# Altium PCB modulo_principal_footprint.PcbDoc
Units mm, origin at the board's own origin, x right, y up, seen from the top; angles counter-clockwise.
Board outline 95 x 76 mm, 2 copper layers (Top Layer, Bottom Layer); 93 components, 56 nets, 297 pads, 84 vias.
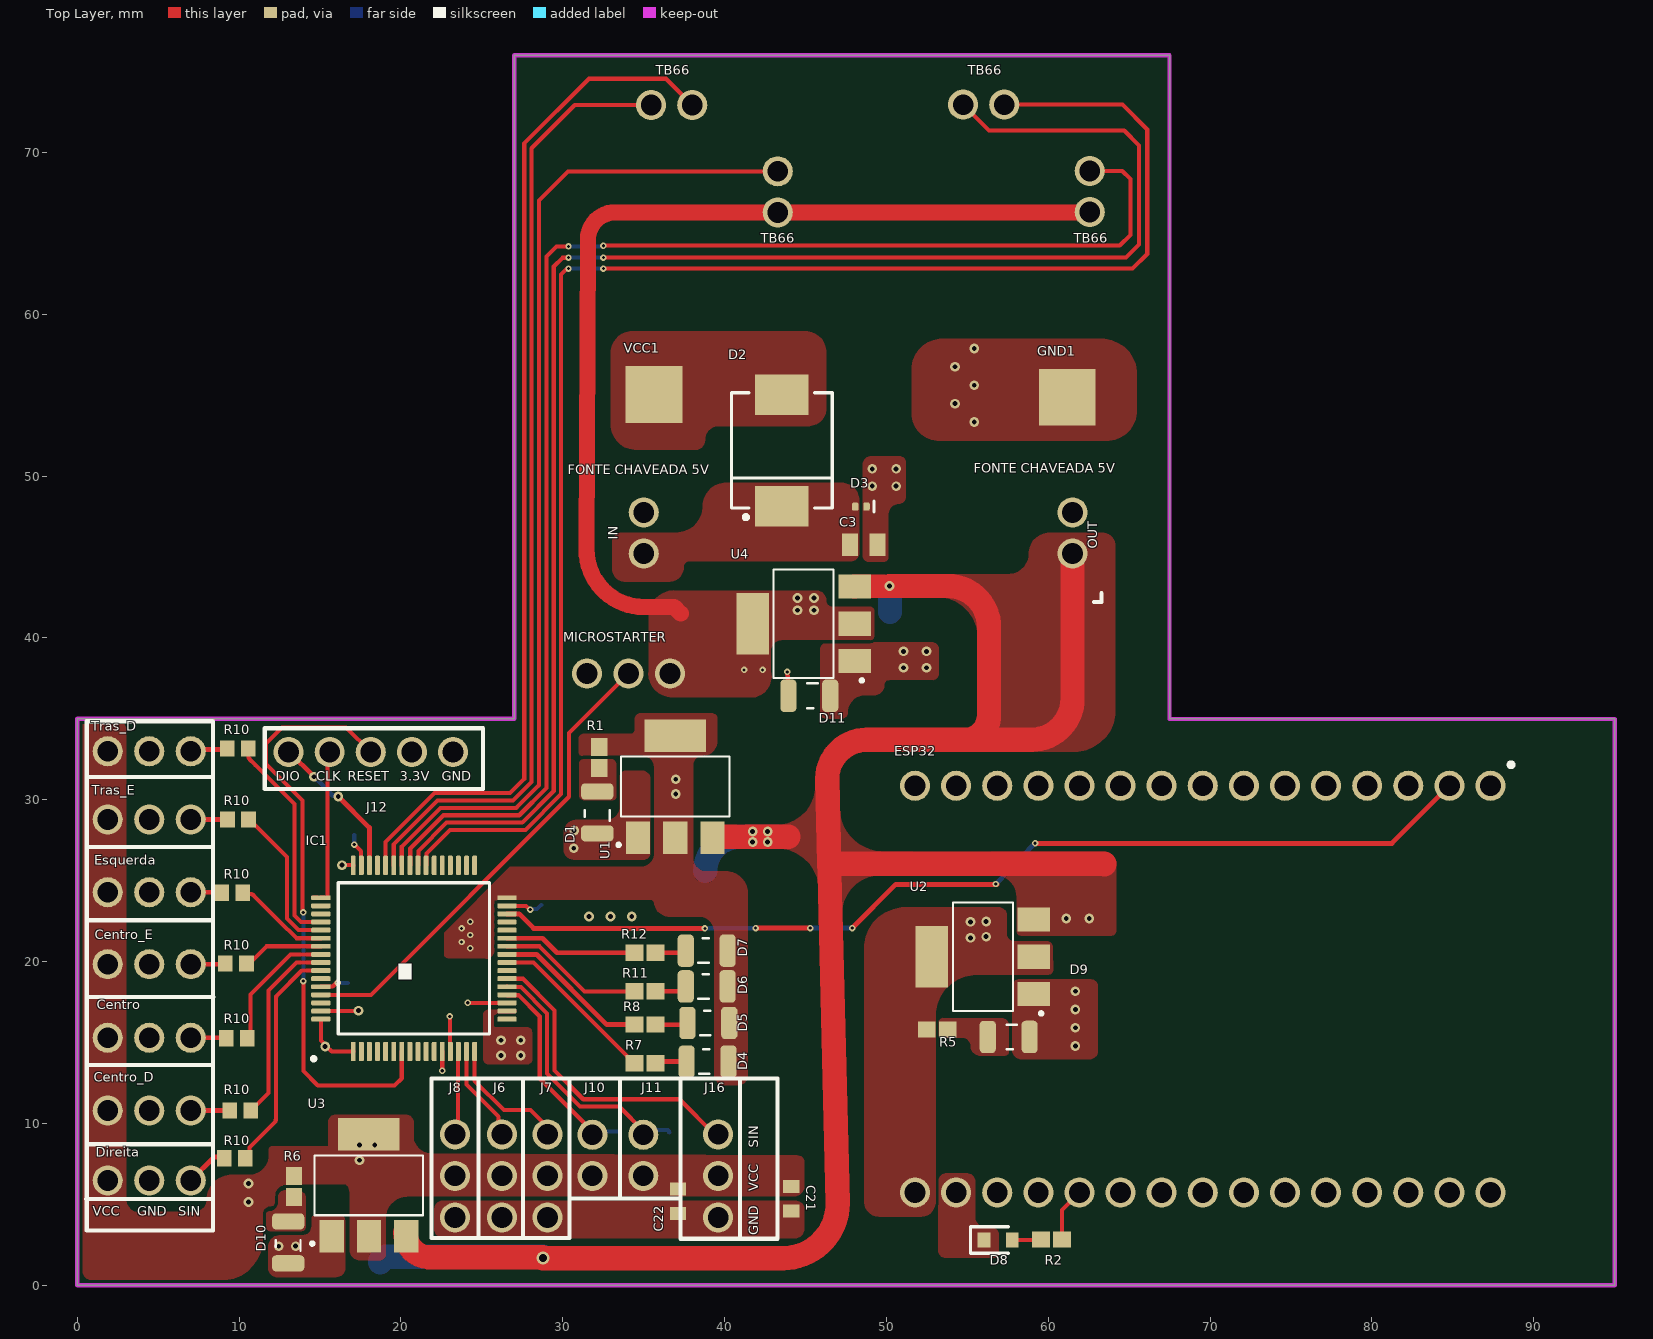
[diagram p0: Top Layer view]
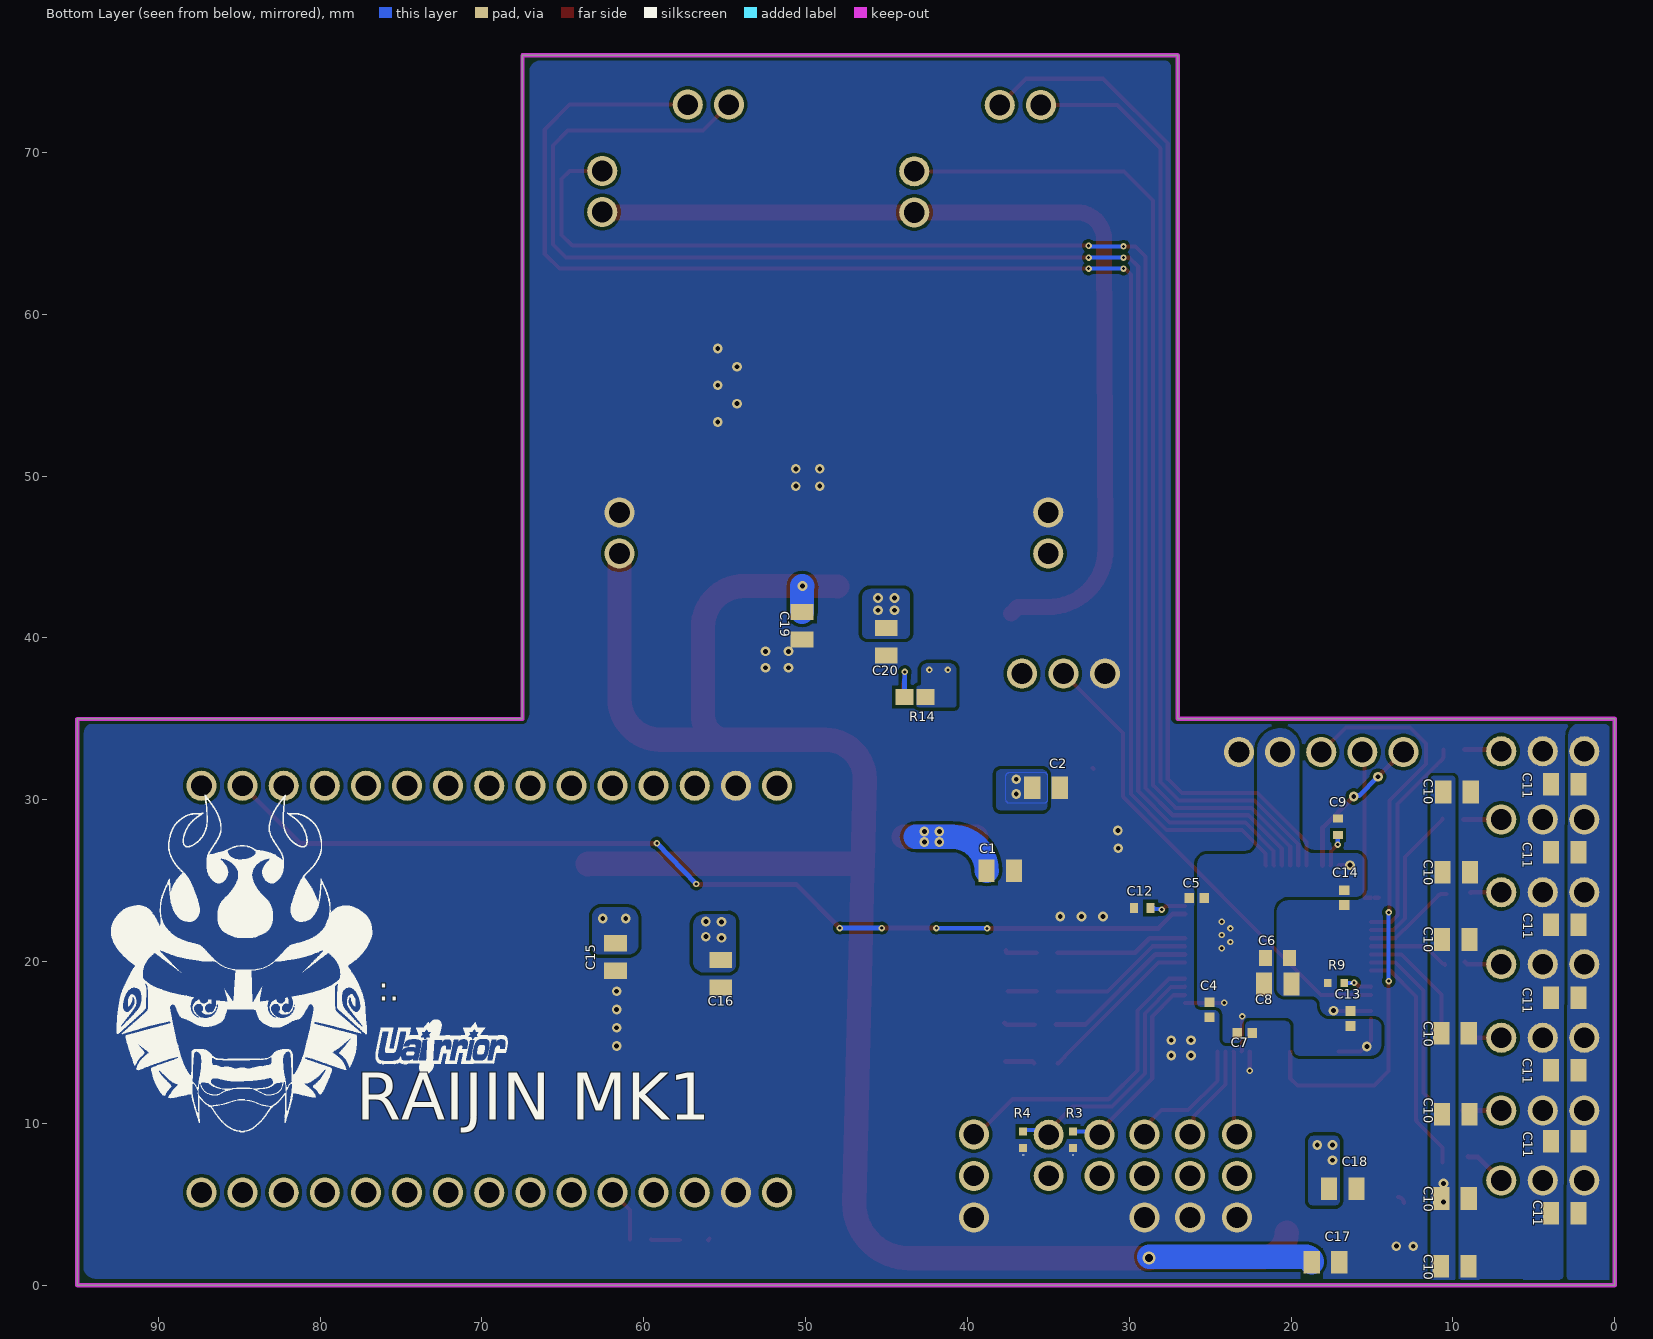
[diagram p1: Bottom Layer view, seen from below]

## Layer stack, top to bottom
Top Solder: solder mask 0.0102, Solder Resist, Dk 3.5
Top Layer: signal copper 0.0356
Dielectric 1: dielectric 0.32, FR-4, Dk 4.8
Bottom Layer: signal copper 0.0356
Bottom Solder: solder mask 0.0102, Solder Resist, Dk 3.5

## Board outline
0,0 95,0 95,35 67.5,35 67.5,76 27,76 27,35 0,35

## Design rules (kind name [scope] priority, off if disabled: settings)
Clearance [All] p1: gap=0.2 ignorepadtopadclearanceinfootprint=TRUE
PolygonConnect [All] p1: connectstyle=Direct reliefconductorwidth=0.254 reliefentries=4 polygonreliefangle="90 Angle" airgapwidth=0.254
RoutingVias [All] p1: holewidth=0.711 width=1.27 viastyle="Through Hole" minholewidth=0.711 minwidth=1.27 maxholewidth=0.711 maxwidth=1.27
SolderMaskExpansion [All] p1: expansion=0.102 istentingtop=FALSE
Width [All] p1: maxlimit=2 minlimit=0.254 preferedwidth=0.254 minimp=50.000000 maximp=50.000000 favimp=50.000000
30 further rules are at their usual default settings.

## Classes and differential pairs
channel class "Sensor Infra": SensorInfra1 SensorInfra2 SensorInfra3 SensorInfra4 SensorInfra5 SensorInfra6 SensorInfra7
net class DIST[1..7]: DIST1 DIST2 DIST3 DIST4 DIST5 DIST6 DIST7
component class U_Comunicacao: D8 ESP32 esp32 R2
component class SensorInfra7: C10 C11 R10 Tras_D
component class SensorInfra6: C10 C11 Tras_E
component class SensorInfra5: C10 C11 Esquerda
component class SensorInfra4: C10 C11 Centro_E
component class SensorInfra3: C10 C11 Centro
component class SensorInfra2: C10 C11 Centro_D
component class SensorInfra1: C10 C11 Direita
component class Fonte: C1 C2 C3 C15 C16 C17 C18 C19 C20 D1 D2 D3 D9 D10 D11 "FONTE CHAVEADA 5V" GND1 J17 R1 R5 R6 R14 U1 U2 U3 U4 VCC1
component class Controle: C4 C5 C6 C7 C8 C9 C12 C13 C14 C21 C22 D4 D5 D6 D7 IC1 J6 J7 J8 J10 J11 J12 J16 MICROSTARTER R3 R4 R7 R8 R9 R11 R12 TB66

## Components (designator, comment, footprint, x,y, rotation, side; value= is the part's Value field where it differs from the comment)
C1 "1uF" C0805 56.094,15.804 r0 bottom
C2 "4.7uF" C0805 53.275,20.935 r0 bottom
C3 "0.1 uF" C0805 66.737,55.544 r0 top
C4 "0.1uF" CAPC1005X55N 25.044,17.018 r90 bottom
C5 "0.1uF" CAPC1005X55N 25.829,23.927 r180 bottom
C6 "4.7 uF" C0603 208.052,93.606 r0 bottom
C7 "0.1uF" CAPC1005X55N 22.86,15.596 r0 bottom
C8 "1uF" C0805 38.951,8.819 r0 bottom
C9 "2.2 uF" C0402 17.094,28.346 r270 bottom
C10 "4.7uF" C0805 27.877,20.681 r0 bottom
C10 "4.7uF" C0805 27.928,15.728 r0 bottom
C10 "4.7uF" C0805 27.953,11.562 r0 bottom
C10 "4.7uF" C0805 28.004,5.771 r0 bottom
C10 "4.7uF" C0805 27.951,0.767 r0 bottom
C10 "4.7uF" C0805 28.004,-4.44 r0 bottom
C10 "4.7uF" C0805 28.029,-8.631 r0 bottom
C11 "0.1uF" C0805 -15.048,40.762 r180 bottom
C11 "0.1uF" C0805 -15.048,36.545 r180 bottom
C11 "0.1uF" C0805 -15.048,32.075 r180 bottom
C11 "0.1uF" C0805 -15.048,27.554 r180 bottom
C11 "0.1uF" C0805 -15.048,23.083 r180 bottom
C11 "0.1uF" C0805 -15.048,18.689 r180 bottom
C11 "0.1uF" C0805 -15.048,14.244 r180 bottom
C12 "2.2 uF" C0402 29.21,23.317 r180 bottom
C13 "0.1uF" CAPC1005X55N 16.332,16.485 r270 bottom
C14 "0.1uF" CAPC1005X55N 16.713,23.952 r90 bottom
C15 "1uF" C0805 71.546,38.418 r90 bottom
C16 "4.7uF" C0805 65.044,37.376 r90 bottom
C17 "1uF" C0805 36.005,-8.377 r0 bottom
C18 "4.7uF" C0805 34.938,-3.83 r0 bottom
C19 "1uF" C0805 60.015,58.888 r90 bottom
C20 "4.7uF" C0805 54.808,57.898 r90 bottom
C21 "4.7uF" C0603 117.508,192.558 r90 top
C22 "0.1 uF" C0603 110.497,192.405 r90 top
Centro "Female Header 3" "FEMALE HEADER 3" 1.88,15.291 r0 top (schematic designator J9)
Centro_D "Female Header 3" "FEMALE HEADER 3" 1.88,10.795 r0 top (schematic designator J9)
Centro_E "Female Header 3" "FEMALE HEADER 3" 1.88,19.837 r0 top (schematic designator J9)
D1 "Blue" DIODO_2-SMD-3215 32.131,29.21 r90 top
D2 "B540C-13-F" DIODO_DO-214AB 43.536,51.587 r90 top
D3 "ESD110B102ELE6327XTMA1" DIODO-TSSLP-2-4 48.768,48.108 r270 top
D4 "Blue" DIODO_2-SMD-3215 38.938,13.818 r0 top
D5 "Blue" DIODO_2-SMD-3215 38.989,16.205 r0 top
D6 "Blue" DIODO_2-SMD-3215 38.887,18.466 r0 top
D7 "Blue" DIODO_2-SMD-3215 38.887,20.676 r0 top
D8 "Green" LED_0603 56.769,2.794 r0 top
D9 "Blue" DIODO_2-SMD-3215 57.556,15.342 r180 top
D10 "Blue" DIODO_2-SMD-3215 13.03,2.642 r90 top
D11 "Blue" DIODO_2-SMD-3215 45.237,36.424 r180 top
Direita "Female Header 3" "FEMALE HEADER 3" 1.88,6.477 r0 top (schematic designator J9)
ESP32 "ESP32" "Modulo ESP32" 87.325,30.509 r180 top (schematic designator J13)
Esquerda "Female Header 3" "FEMALE HEADER 3" 1.88,24.282 r0 top (schematic designator J9)
"FONTE CHAVEADA 5V" "Female Header 2" "Female Header 2" 61.5,46.863 r90 top (schematic designator J15)
"FONTE CHAVEADA 5V" "Female Header 2" "Female Header 2" 35,46.863 r90 top (schematic designator J14)
GND1 "Ground Pad" PAD_ALIMENTAÇÃO_MINI 61.163,54.864 r0 top
IC1 "STM32F405RGT6" LQFP-64 20.803,20.193 r90 top
J6 "Female Header 3" "FEMALE HEADER 3" 26.238,9.321 r270 top
J7 "Female Header 3" "FEMALE HEADER 3" 29.058,9.321 r270 top
J8 "Female Header 3" "FEMALE HEADER 3" 23.343,9.321 r270 top
J10 "Female Header 2" "Female Header 2" 31.826,8.407 r90 top
J11 "Female Header 2" "Female Header 2" 34.976,8.407 r90 top
J12 "STM Bootloader" "STM BOOTLOADER" 13.056,32.944 r0 top
J16 "Female Header 3" "FEMALE HEADER 3" 39.599,9.321 r270 top
MICROSTARTER "Female Header 3" "FEMALE HEADER 3" 36.626,37.795 r180 top (schematic designator J5)
R1 "240 Ohms" RESC1608X55N 32.258,32.603 r90 top
R2 "240 Ohms" RESC1608X55N 60.198,2.819 r180 top
R3 "10kR" RESISTOR_0402 33.477,8.992 r90 bottom
R4 "10kR" RESISTOR_0402 36.551,8.992 r90 bottom
R5 "240 Ohms" RESC1608X55N 53.137,15.799 r180 top
R6 "240 Ohms" RESC1608X55N 13.386,6.096 r90 top
R7 "240 Ohms" RESC1608X55N 35.077,13.716 r180 top
R8 "240 Ohms" RESC1608X55N 35.077,16.104 r180 top
R9 "10kR" RESISTOR_0402 17.221,18.669 r0 bottom
R10 "56 R" RESISTOR_0603 9.906,33.172 r180 top
R10 "56 R" RESISTOR_0603 9.931,28.778 r180 top
R10 "56 R" RESISTOR_0603 9.576,24.257 r180 top
R10 "56 R" RESISTOR_0603 9.804,19.888 r180 top
R10 "56 R" RESISTOR_0603 9.855,15.265 r180 top
R10 "56 R" RESISTOR_0603 10.058,10.795 r180 top
R10 "56 R" RESISTOR_0603 9.728,7.849 r180 top
R11 "240 Ohms" RESC1608X55N 35.077,18.161 r180 top
R12 "240 Ohms" RESC1608X55N 35.077,20.549 r180 top
R14 "240 Ohms" RESC1608X55N 43.231,36.347 r180 bottom
TB66 "Female Header 2" "Female Header 2" 56.388,72.949 r0 top (schematic designator J2)
TB66 "Female Header 2" "Female Header 2" 37.109,72.923 r0 top (schematic designator J4)
TB66 "Female Header 2" "Female Header 2" 43.28,67.941 r90 top (schematic designator J3)
TB66 "Female Header 2" "Female Header 2" 62.559,67.967 r90 top (schematic designator J1)
Tras_D "Female Header 3" "FEMALE HEADER 3" 1.88,32.995 r0 top (schematic designator J9)
Tras_E "Female Header 3" "FEMALE HEADER 3" 1.88,28.778 r0 top (schematic designator J9)
U1 "LDL1117S33R" SOT-223-4 36.946,30.811 r0 top
U2 "LDL1117S33R" SOT-223-4 55.956,20.295 r90 top
U3 "LDL1117S33R" SOT-223-4 18.02,6.173 r0 top
U4 "LDL1117S33R" SOT-223-4 44.882,40.869 r90 top
VCC1 "Source Pad" PAD_ALIMENTAÇÃO_MINI 35.636,55.042 r0 top

## Footprints (in the part's own frame and the unit in brackets; to place one, negate y for a bottom-side part, rotate by r counter-clockwise, add the part's x,y. Pads: shape width x height; smd on the part's side, far side on the other; paste and mask are expansions set on the pad)
C0402 [mm]
  rect 0.5x0.62 smd: 1(-0.483,-0.01) 2(0.517,-0.01)
  body extent -0.51,-0.29 0.54,0.27, height 0.37
C0603 [mm]
  rect 0.8x1 smd: 1(-187.961,73.388) 2(-186.461,73.388)
  body extent -188.06,72.92 -186.36,73.82, height 0.8
C0805 [mm]
  rect 1x1.4 smd: 1(-18.985,-9.799) 2(-17.285,-9.799)
  body extent -19.21,-10.47 -17.06,-9.12, height 0.9
CAPC1005X55N [mm]
  rect 0.6x0.62 smd: 1(-0.46,0) 2(0.46,0)
  body extent -0.5,-0.25 0.5,0.25, height 0.55
DIODO-TSSLP-2-4 [mm]
  rrect50% 0.5x0.4 smd: A(0,0) C(0,-0.7)
  silkscreen extent -0.33,0.46 0.33,0.46, body extent -0.3,-0.86 0.3,0.14, height 0.3
DIODO_2-SMD-3215 [mm]
  rrect50% 1x2 smd: A(1.3,0) C(-1.288,-0.001)
  silkscreen extent -0.51,-0.76 0.13,0.76, body extent -1.61,-0.77 1.66,0.87, height 0.9
DIODO_DO-214AB [mm]
  rect 2.5x3.3 smd paste+0 mask+0: A(3.45,0) C(-3.45,0)
  silkscreen extent -4.25,-3.11 3.55,3.11, body extent -4.8,-3.21 4.8,3.21, height 0.25
"Female Header 2" [mm]
  round 1.86 hole 1.28: PIN1(-1.651,0) PIN2(0.889,0)
  body extent -3.05,-1.4 2.03,1.14, height 8.5
"FEMALE HEADER 3" [mm]
  round 1.86 hole 1.28: PIN1(0,0) PIN2(2.565,0) PIN3(5.13,0)
  body extent -1.52,-1.27 6.6,1.27, height 8.5
LED_0603 [mm]
  rect 0.8x0.9 smd: A(1.003,0) C(-0.75,0)
  silkscreen extent -1.58,-0.82 0.75,0.82, body extent -0.67,-0.4 0.93,0.4, height 0.7
LQFP-64 [mm]
  rrect50% 1.2x0.3 smd: 1(-5.75,3.75) 2(-5.75,3.25) 3(-5.75,2.75) 4(-5.75,2.25) 5(-5.75,1.75) 6(-5.75,1.25) 7(-5.75,0.75) 8(-5.75,0.25) 9(-5.75,-0.25) 10(-5.75,-0.75) 11(-5.75,-1.25) 12(-5.75,-1.75) 13(-5.75,-2.25) 14(-5.75,-2.75) 15(-5.75,-3.25) 16(-5.75,-3.75) 33(5.75,-3.75) 34(5.75,-3.25) 35(5.75,-2.75) 36(5.75,-2.25) 37(5.75,-1.75) 38(5.75,-1.25) 39(5.75,-0.75) 40(5.75,-0.25) 41(5.75,0.25) 42(5.75,0.75) 43(5.75,1.25) 44(5.75,1.75) 45(5.75,2.25) 46(5.75,2.75) 47(5.75,3.25) 48(5.75,3.75)
  rrect50% 0.3x1.2 smd: 17(-3.75,-5.75) 18(-3.25,-5.75) 19(-2.75,-5.75) 20(-2.25,-5.75) 21(-1.75,-5.75) 22(-1.25,-5.75) 23(-0.75,-5.75) 24(-0.25,-5.75) 25(0.25,-5.75) 26(0.75,-5.75) 27(1.25,-5.75) 28(1.75,-5.75) 29(2.25,-5.75) 30(2.75,-5.75) 31(3.25,-5.75) 32(3.75,-5.75) 49(3.75,5.75) 50(3.25,5.75) 51(2.75,5.75) 52(2.25,5.75) 53(1.75,5.75) 54(1.25,5.75) 55(0.75,5.75) 56(0.25,5.75) 57(-0.25,5.75) 58(-0.75,5.75) 59(-1.25,5.75) 60(-1.75,5.75) 61(-2.25,5.75) 62(-2.75,5.75) 63(-3.25,5.75) 64(-3.75,5.75)
  silkscreen extent -6.3,-4.67 4.67,6.3, body extent -6,-6 6,6, height 1.6
"Modulo ESP32" [mm]
  round 1.86 hole 1.28: 3V3(35.56,24.779) EN(0,-0.352) GND(33.02,24.779) GND(33.02,-0.352) PIN2(2.54,-0.352) PIN3(5.08,-0.352) PIN4(7.62,-0.352) PIN5(10.16,-0.352) PIN6(12.7,-0.352) PIN7(15.24,-0.352) PIN8(17.78,-0.352) PIN9(20.32,-0.352) PIN10(22.86,-0.352) PIN11(25.4,-0.352) PIN12(27.94,-0.352) PIN13(30.48,-0.352) PIN16(0,24.779) PIN17(2.54,24.779) PIN18(5.08,24.779) PIN19(7.62,24.779) PIN20(10.16,24.779) PIN21(12.7,24.779) PIN22(15.24,24.779) PIN23(17.78,24.779) PIN24(20.32,24.779) PIN25(22.86,24.779) PIN26(25.4,24.779) PIN27(27.94,24.779) PIN28(30.48,24.779) VIN(35.56,-0.352)
  silkscreen extent -1.4,-1.78 -1.14,-1.52, body extent -5.66,-1.52 45.27,26.98, height 12.2
PAD_ALIMENTAÇÃO_MINI [mm]
  rect 3.5x3.5 smd: A(0,0)
RESC1608X55N [mm]
  rect 1.1x1 smd: 1(-0.65,0) 2(0.65,0)
  body extent -0.8,-0.4 0.8,0.4, height 0.55
RESISTOR_0402 [mm]
  rect 0.475x0.5 smd: 1(-0.512,0) 2(0.512,0)
  silkscreen extent -0.97,-0.03 -0.93,0.03, body extent -0.5,-0.25 0.5,0.25, height 0.35
RESISTOR_0603 [mm]
  rect 0.9x1 smd: 1(-0.65,0) 2(0.65,0)
  body extent -0.8,-0.4 0.8,0.4, height 0.55
SOT-223-4 [mm]
  rect 1.5x2 smd: 1(-2.3,-3.15) 2(0,-3.15) 3(2.3,-3.15)
  rect 3.8x2 smd: 2(0,3.15)
  silkscreen extent -3.6,-3.7 3.35,1.85, body extent -3.45,-3.93 3.45,4.17, height 0.25
"STM BOOTLOADER" [mm]
  round 1.86 hole 1.28: CLK(2.54,0) DIO(0,0) GND(10.16,0) RESET(5.08,0) VCC(7.62,0)
  silkscreen extent -1.47,-2.29 12.01,1.47, body extent -1.32,-1.19 11.88,1.35, height 8.5

## Part data
C1 C15 C17 C19: library part 885012107015, "CAP CER 1uF 25V X5R 0805", Manufacturer="Wurth Electronik", Operating Temperature="-55 C ~ 85 C", Package / Case="0805 (2012 Metric)", Supplier Part Number 1=710-885012107015, Tolerance=20%, Voltage - Rated=25V, Category="Ceramic Capacitor", ComponentLink1Description=Datasheet, ComponentLink1URL=https://br.mouser.com/datasheet/2/445/885012107015-1727441.pdf, ComponentLink2Description="Mouser Link", ComponentLink2URL=https://br.mouser.com/ProductDetail/Wurth-Elektronik/885012107015?qs=%2Fha2pyFaduggjUC9vDyrNMYsuF9m0S%2FHKLBl4FOBDDHl%252B%252B2XqSGtSQ%3D%3D, Dieletric=X5R, ESR=-, Library Control - Checked Footprint=Yes, Library Control - Checked Schematic=Yes, Library Control - Last Update="28/06/2021 00:10", Library Control - Person that Checked Footprint=Nikaum, Library Control - Person that Checked Schematic=Nikaum, Library Control - Person that did the Last Update Footprint=Nikaum, Library Control - Person that did the Last Update Schematic=Nikaum, Library Ref=Capacitor, Part Number=885012107015, Price="1 = 0,10, 10=0,082, 100=0,073 (USD)", Size / Dimension="2,00 L x 1,25 W x 1,25 H", Supplier 1=Mouser
C2 C10 C10 C10 C10 C10 C10 C10 C16 C18 C20: library part 0805X475M250CT, "CAP CER 4.7uF 25V 20% 0805", Manufacturer=Walsin, Operating Temperature="-55°C ~ 85°C", Package / Case="0805(2012 metric)", Supplier Part Number 1=791-0805X475M250CT, Tolerance=20%, Voltage - Rated=25V, Category="Ceramic Capacitor", ComponentLink1Description=Datasheet, ComponentLink1URL=https://br.mouser.com/datasheet/2/210/WTC_MLCC_General_Purpose-1534899.pdf, ComponentLink2Description="Mouser Link", ComponentLink2URL=https://br.mouser.com/ProductDetail/Walsin/0805X475M250CT?qs=%2Fha2pyFadugovbtJ4IPO2aI5%2FHfN6czWOLxzJ368rfolfgZFQZPK8JJR9MicoCMy, Dieletric=X5R, ESR=-, Library Control - Checked Footprint=No, Library Control - Checked Schematic=Yes, Library Control - Last Update="26/06/2021 19:59", Library Control - Person that Checked Schematic=Guilherme, Library Control - Person that did the Last Update Schematic=Marcos, Library Ref=Capacitor, Part Number=0805X475M250CT, Price="1=0,26 10=0,178 100=0,101 1000=0,064 (USD)", Size / Dimension="2 mm L x 1.25 mm W x 0.8 mm H", Supplier 1=Mouser
C3: library part C0805C104K5RACTU, "CAP CER 0.1uF 50V X7R 0805", Manufacturer=Kemet, Operating Temperature="-55°C ~ 125°C", Package / Case="0805(2012 metric)", Supplier Part Number 1=80-C0805C104K5R, Tolerance=10%, Voltage - Rated="50 VDC", Category="Ceramic Capacitor", ComponentLink1Description=Datasheet, ComponentLink1URL=https://br.mouser.com/datasheet/2/212/KEM_C1002_X7R_SMD-1102033.pdf, ComponentLink2Description="Mouser Link", ComponentLink2URL=https://br.mouser.com/ProductDetail/KEMET/C0805C104K5RACTU?qs=Pc30aiB8zWUISNb2Qeyxfw%3D%3D, Dieletric=X7R, ESR=-, Library Control - Checked Footprint=No, Library Control - Checked Schematic=Yes, Library Control - Last Update="26/06/2021 20:48", Library Control - Person that Checked Schematic=Guilherme, Library Control - Person that did the Last Update Schematic=Marcos, Library Ref=Capacitor, Part Number=C0805C104K5RACTU, Price="1=0,24 10=0,126 100=0,076 1000=0,059 (USD)", Size / Dimension="2 mm L  x 1.25 mm W  x  0.78 mm H", Supplier 1=Mouser
C4 C5 C7 C13 C14: library part GRM155R61C104KA88D, "CAP CER 0.1uF 16V X5R 0402", Manufacturer=Murata, Operating Temperature="-55°C ~ 85°C", Package / Case="0402 (1005 Metric)", Supplier Part Number 1=81-GRM155R61C104KA8D, Tolerance=10%, Voltage - Rated=16V, Category="Ceramic Capacitors", ComponentLink1Description=Datasheet, ComponentLink1URL=https://br.mouser.com/datasheet/2/281/1/GRM155R61C104KA88_01A-1983743.pdf, ComponentLink2Description="Mouser Link", ComponentLink2URL=https://br.mouser.com/ProductDetail/Murata-Electronics/GRM155R61C104KA88D?qs=%2Fha2pyFadugsr51Fgcs3VGJIvx6dQb2fpcJyrxDKYTBEoW5q5paGTQ%3D%3D, Dieletric=X5R, ESR=-, Library Control - Checked Footprint=Yes, Library Control - Checked Schematic=Yes, Library Control - Last Update="24/07/2021 11:05", Library Control - Person that Checked Footprint=Guilherme, Library Control - Person that Checked Schematic=Guilherme, Library Control - Person that did the Last Update Footprint=Guilherme, Library Control - Person that did the Last Update Schematic=Guilherme, Library Ref=Capacitor, Part Number=GRM155R61C104KA88D, Price="1 = 0,10, 10=0,024, 100=0,011 (USD)", Size / Dimension="1,0 L x 0,5 W x 0,5 H", Supplier 1=Mouser
C6: library part GRM188R61C475KAAJD, "CAP CER 4.7uF 16V X5R 0603", Manufacturer="MURATA ELECTRONICS", Operating Temperature="-55°C ~ 85ºC", Package / Case="0603(1608 metric)", Supplier Part Number 1=81-GRM188R61C475KAJD, Tolerance=10%, Voltage - Rated="16 VDC", Category="Ceramic capacitor", ComponentLink1Description=Datasheet, ComponentLink1URL=https://br.mouser.com/datasheet/2/281/murata_03052018_GRM_Series_1-1310166.pdf, ComponentLink2Description="Mouser Link", ComponentLink2URL=https://br.mouser.com/ProductDetail/Murata-Electronics/GRM188R61C475KAAJD?qs=mJtAphxf33T5qOjL9fHG9Q%3D%3D, Dieletric=X5R, ESR=100mΩ, Library Control - Checked Schematic=Guilherme, Library Control - Last Update="27/06/2021 16:02", Library Control - Person that Checked Schematic=Guilherme, Library Control - Person that did the Last Update Footprint=Raquel, Library Control - Person that did the Last Update Schematic=Marcos, Library Ref=Capacitor, Part Number=GRM188R61C475KAAJD, Price="1=0,39, 10=0,27, 100=0,172, 1000=0,153 (USD)", Size / Dimension="1.6 mm L x 0.8 mm W x 0.8 mm H", Supplier 1=Mouser
C8: library part CC0805ZRY5V8BB105, "CAP CER 1uF 25V Y5V 0805", Manufacturer=Yageo, Operating Temperature="-30 C ~ 85 C", Package / Case="0805 (2012 Metric)", Supplier Part Number 1=603-CC805KRX7R9BB331, Tolerance="-20%, +80%", Voltage - Rated=25V, Category="Ceramic Capacitor", ComponentLink1Description=Datasheet, ComponentLink1URL=https://br.mouser.com/datasheet/2/447/yago_s_a0004841839_1-2286631.pdf, ComponentLink2Description="Mouser Link", ComponentLink2URL=https://br.mouser.com/ProductDetail/Yageo/CC0805ZRY5V8BB105?qs=%2Fha2pyFaduhNpscxq1sti%2FWGfef5%252B7abNQFh0pSFqzoFpwPoZWE8UM%252BupYNGXIAb, Dieletric=Y5V, ESR=0.05, Library Control - Checked Footprint=Yes, Library Control - Checked Schematic=Yes, Library Control - Last Update="27/06/2021 23:54", Library Control - Person that Checked Footprint=Nikaum, Library Control - Person that Checked Schematic=Nikaum, Library Control - Person that did the Last Update Footprint=NIkaum, Library Control - Person that did the Last Update Schematic=Nikaum, Library Ref=Capacitor, Part Number=CC0805ZRY5V8BB105, Price="1=0.21, 10=0.151, 100=0.071 (USD)", Size / Dimension="2,00 L x 1,25 W x 0,85 H", Supplier 1=Mouser
C9 C12: library part C1005X5R1C225M050BC, "CAP CER 2.2UF 16V X5R 0402", Manufacturer=TDK, Operating Temperature="-55 C ~ 85 C", Package / Case="0402 (1005 Metric)", Supplier Part Number 1=810-C1005X5R1C225M, Tolerance=20%, Voltage - Rated="16 VDC", Category="Ceramic Capacitor", ComponentLink1Description=Datasheet, ComponentLink1URL=https://product.tdk.com/system/files/dam/doc/product/capacitor/ceramic/mlcc/catalog/mlcc_commercial_general_en.pdf, ComponentLink2Description="Mouser Link", ComponentLink2URL=https://br.mouser.com/ProductDetail/TDK/C1005X5R1C225M050BC?qs=%2Fha2pyFaduhU5KeTuzJ6cgu5msb4qv%252BHR3wvbG6WdO9o%252B44FZFkWvfar1ahjHCOq, ComponentLink3Description=ESR, ComponentLink3URL=https://product.tdk.com/en/search/capacitor/ceramic/mlcc/info?part_no=C1005X5R1C225M050BC, Dieletric=X5R, Library Control - Checked Footprint=Yes, Library Control - Checked Schematic=Yes, Library Control - Last Update="28/06/2021 00:25", Library Control - Person that Checked Footprint=Nikaum, Library Control - Person that Checked Schematic=Nikaum, Library Control - Person that did the Last Update Footprint=Nikaum, Library Control - Person that did the Last Update Schematic=Nikaum, Library Ref=Capacitor, Part Number=C1005X5R1C225M050BC, Price="1= 0,35, 10= 0,24, 100= 0,137 (USD)", Size / Dimension="1,00 L x 0,50 W x 0,50 H", Supplier 1=Mouser
C11 C11 C11 C11 C11 C11 C11: library part 08053C104KAT2A, "CAP CER 0.1uF 25V X7R 0805", Manufacturer=AVX, Operating Temperature="-55 C ~ 125 C", Package / Case="0805 (2012 metric)", Supplier Part Number 1=581-08053C104K, Tolerance=10%, Voltage - Rated=25V, Category="Ceramic Capacitor", ComponentLink1Description=Datasheet, ComponentLink1URL=https://br.mouser.com/datasheet/2/40/X7RDielectric-777024.pdf, ComponentLink2Description="Mouser Link", ComponentLink2URL=https://br.mouser.com/ProductDetail/AVX/08053C104KAT2A?qs=EihRZLdKnF2GcTBzDkE%2FiQ%3D%3D, Dieletric=X7R, ESR=0.05, Library Control - Checked Footprint=Yes, Library Control - Checked Schematic=Yes, Library Control - Last Update="27/06/2021 23:35", Library Control - Person that Checked Footprint=Nikaum, Library Control - Person that Checked Schematic=Nikaum, Library Control - Person that did the Last Update Footprint=Nikaum, Library Control - Person that did the Last Update Schematic=Nikaum, Library Ref=Capacitor, Part Number=08053C104KAT2A, Price="1=0,14, 10=0,069, 100=0,038 (USD)", Size / Dimension="2,00 L x 1,20 W x 0,50 H", Supplier 1=Mouser
C21: library part CC0603KRX5R8BB475, "CAP CER 4.7uF 25V X5R 0603", Manufacturer=Yageo, Operating Temperature="-55 C ~ 125 C", Package / Case="0603 (1608 Metric)", Supplier Part Number 1=603-CC0603KRX58BB475, Tolerance=10%, Voltage - Rated=25V, Category="Ceramic Capacitor", ComponentLink1Description=Datasheet, ComponentLink1URL=https://br.mouser.com/datasheet/2/447/yago_s_a0011397150_1-2286655.pdf, ComponentLink2Description="Mouser Link", ComponentLink2URL=https://br.mouser.com/ProductDetail/Yageo/CC0603KRX5R8BB475?qs=%2Fha2pyFaduh%2F7Q8z%252B7Ot0eflSx5gYDgPHryPFxzpgCUeMwc25ZtPlNgXae48%252BTjy, Dieletric=X5R, ESR=0.05, Library Control - Checked Footprint=Yes, Library Control - Checked Schematic=Yes, Library Control - Last Update="27/06/2021 23:47", Library Control - Person that Checked Footprint=Nikaum, Library Control - Person that Checked Schematic=Nikaum, Library Control - Person that did the Last Update Footprint=Nikaum, Library Control - Person that did the Last Update Schematic=Nikaum, Library Ref=Capacitor, Part Number=CC0603KRX5R8BB475, Price="1=0.25, 10=0.164, 100=0,093 (USD)", Size / Dimension="1,60 L x 0,80 W x 0,87 H", Supplier 1=Mouser
C22: library part C0603C104M5RACTU, "CAP CER 0.1uF 50V X7R 0603", Manufacturer=Kemet, Operating Temperature="-55°C ~ 125°C", Package / Case="0603(1608 metric)", Supplier Part Number 1=80-C0603C104M5R, Tolerance=20%, Voltage - Rated="50 VDC", Category="Ceramic Capacitor", ComponentLink1Description=Datasheet, ComponentLink1URL=https://br.mouser.com/datasheet/2/212/KEM_C1002_X7R_SMD-1102033.pdf, ComponentLink2Description="Mouser Link", ComponentLink2URL=https://br.mouser.com/ProductDetail/KEMET/C0603C104M5RACTU?qs=YkRtRX%252BfoqJT%252B0m410IP4A%3D%3D, ComponentLink3Description=ESR, ComponentLink3URL=https://www.kemet.com/en/us/capacitors/ceramic/product/C0603C104M5RACTU.html, Dieletric=X7R, Library Control - Checked Footprint=Yes, Library Control - Checked Schematic=Yes, Library Control - Last Update="09/09/2021 15:15", Library Control - Person that Checked Footprint="Stéfany (Ster)", Library Control - Person that Checked Schematic="Stéfany (Ster)", Library Control - Person that did the Last Update Schematic="Stéfany (Ster)", Library Ref=Capacitor, Part Number=C0603C104M5RACTU, Price="1=0,22 10=0,154 100=0.106 (USD)", Size / Dimension="1.6 L x 0.8 W x 0.8 H (USD)", Supplier 1=Mouser
D1 D4 D5 D6 D7 D9 D10 D11: library part EAST3215BA5, "LED 75mW BLUE 45MCD 3215", Current - Forward (If)="20 mA", Manufacturer="Everlight Electronics", Max Power Dissipation="75 mW", Operating Temperature="- 40 °C ~ 85 °C", Package / Case=3215, Reverse Voltage="5 V", Supplier Part Number 1=638-EAST3215BA5, Voltage - Forward (Vf)="3,30 V", Category="Standard LEDs - SMD", Color=Blue, ComponentLink1Description="Mouser Link", ComponentLink1URL=https://www.mouser.com/ProductDetail/Everlight/EAST3215BA5?qs=Cqqh%252BS766wnzp9nQVj5A4g==, ComponentLink2Description=Datasheet, ComponentLink2URL=https://www.mouser.com/datasheet/2/143/EAST3215BA5-1154292.pdf, Library Control - Checked Footprint=yes, Library Control - Checked Schematic=yes, Library Control - Last Update="13/06/2021 12:45", Library Control - Person that Checked Footprint=Lucas, Library Control - Person that Checked Schematic=Lucas, Library Control - Person that did the Last Update Footprint="Stéfany (Ster)", Library Control - Person that did the Last Update Schematic="Stéfany (Ster)", Library Ref=Diodo/Led, Luminous Intensity="45 mcd", Max Current Rating="20 mA", Part Number=EAST3215BA5, Price="1 = 0,3800, 10 = 0,2050, 100 = 0.1080 (USD)", Supplier 1=Mouser, Viewing Angle=130°, Wavelength="468 nm"
D2: "DIODE SCHOTTKY 40V 5A DO-214AB", Capacitance @ Vr, F="300 pF @ 4V, 1MHz", Current - Average Rectified (Io)="5 A", Current - Reverse Leakage @ Vr="500 uA", Manufacturer="Diodes Incorporated", Max Forward Surge Current (Ifsm)="100 A", Operating Temperature="- 55ºC ~ 125ºC", Package / Case="SMC (DO-214AB)", Supplier Part Number 1=621-B540C-F, Voltage - DC Reverse (Vr) (Max)="40 V", Voltage - Forward (Vf) (Max) @ If="550 mV", Category="Schottky Diodes & Rectifiers", ComponentLink1Description="Mouser Link", ComponentLink1URL=https://www.mouser.com/ProductDetail/Diodes-Incorporated/B540C-13-F?qs=%2Fha2pyFadugB25bXQPJfFXI5hzpNpnVpraRSN9VwgHc%3D, ComponentLink2Description=Datasheet, ComponentLink2URL=https://www.mouser.com/datasheet/2/115/ds13012-73423.pdf, Diode Type="Schottky Barrier Rectifier", Library Control - Checked Footprint=yes, Library Control - Checked Schematic=yes, Library Control - Last Update="21/06/2021 13:20", Library Control - Person that did the Last Update Footprint=Dalarme, Library Control - Person that did the Last Update Schematic=Stéfany(Ster), Library Ref=Diode, Part Number=B540C-13-F, Price="1 = 0,53, 10 = 0,454, 100 = 0,339 (USD)", Supplier 1=Mouser
D3: "DIODE TVS 26V 14.2A DO-214AA-2", Manufacturer=Infineon, Operating Temperature="- 40ºC ~ 125ºC", Package / Case=TSLP-2, Power Dissipation="58 W", Supplier Part Number 1=726-ESD110B102ELE632, Voltage - Forward (Vf) (Max) @ If="-15 V - +15 V", Category="ESD Suppressors / TVS Diodes", ComponentLink1Description=Datasheet, ComponentLink1URL=https://www.mouser.com/datasheet/2/196/Infineon-ESD110-B1-02series-DS-v01_04-EN-1731333.pdf, ComponentLink2Description="Mouser Link", ComponentLink2URL=https://www.mouser.com/ProductDetail/Infineon-Technologies/ESD110B102ELE6327XTMA1?qs=%2Fha2pyFaduiogV8KDD5PH1He7eBI5EnoxEmNaeUv4GVgUCwgbnNdrWufEfAgVCzv, Diode Type=TVS, Library Control - Checked Footprint=No, Library Control - Checked Schematic=No, Library Control - Last Update="13/06/2021 13:28", Library Control - Person that did the Last Update Footprint=Nikaum, Library Control - Person that did the Last Update Schematic=Nikaum, Library Ref=Diode, Part Number=ESD110B102ELE6327XTMA1, Price="1 = 0,48, 10 = 0,36, 100 = 0,225 (USD)", Supplier 1=Mouser
D8: library part 150060VS75000, "LED 0.072W GREEN 40MCD 0603", Current - Forward (If)="20 mA", Manufacturer="Wurth Elektronik", Max Current Rating=100mA, Max Power Dissipation=72mW, Operating Temperature="-40~85 °C", Package / Case=0603, Reverse Voltage=5V, Supplier Part Number 1=710-150060VS75000, Voltage - Forward (Vf)="2 V", Category="Standard LEDs - SMD", Color=Green, ComponentLink1Description="Mouser Link", ComponentLink1URL=https://br.mouser.com/ProductDetail/Wurth-Elektronik/150060VS75000?qs=%2Fha2pyFaduhuT%2FKGSijZP0vTyJZ9U993KfsBQSxqATYhY9jnc2c09tXoMoJ3wn4L, ComponentLink2Description="Datasheet Link", ComponentLink2URL=https://br.mouser.com/datasheet/2/445/150060VS75000-1714627.pdf, Library Control - Checked Footprint=25/07/2021, Library Control - Checked Schematic=25/07/2021, Library Control - Last Project that Used=Diodo/Led, Library Control - Last Update=06/08/2021, Library Control - Person that Checked Footprint=Nícolas, Library Control - Person that Checked Schematic=Nícolas, Library Control - Person that did the Last Update Footprint=Marcos, Library Control - Person that did the Last Update Schematic=Marcos, Library Ref=LED, Luminous Intensity="40 mcd", Manufacturer Part Number=150060VS75000, Price="1 = 0.15, 50 = 0.138, 100 = 0.118 (USD)", Supplier 1=Mouser, Viewing Angle=140°, Wavelength=570nm
ESP32: library part "Modulo ESP32", "Header Modulo ESP32", Library Control - Checked Footprint=Nikaum, Library Control - Checked Schematic=Nikaum, Library Control - Person that did the Last Update Schematic=Nikaum, Library Control - Persont that did the Last Update Footprint=Nikaum, Library Ref=Header, Number of Contacts=15
GND1: library part "Ground Pad Mini Sumô", "GND PAD MINI SUMÔ", Cable AWG="20 / 18 (AWG)", Library Ref=Pads, Recomended Category="Mini Sumô", Size="3.5 x 3.5 (mm)"
IC1: "IC MCU 32-BIT 192kB FLASH ARM Cortex-M4 168MHz  LQFP-64", Manufacturer=STM, Operating Temperature="-40°C to 85°C", Package/Case=LQFP-64, Supplier Part Number 1=511-STM32F405RGT6, Voltage - Supply (Vcc/Vdd)="1.8 V to 3.6 V", Category="ARM Microcontrollers - MCU", ComponentLink1Description="Mouser Link", ComponentLink1URL=https://www.mouser.com/ProductDetail/STMicroelectronics/STM32G030J6M6?qs=uwxL4vQweFMe%2Fiu4dY6izA%3D%3D, ComponentLink2Description="Datasheet Link", ComponentLink2URL=https://www.mouser.com/datasheet/2/389/dm00613878-1799578.pdf, Connectivity=-, Core Processor="ARM Cortex M0+", Library Control - Person that did the Last Update Footprint=Marcos, Library Control - Person that did the Last Update Schematic=Marcos, Library Ref=Microcrontrollers, Number of ADC Channels=16, Number of Ethernet Channels=-, Number of I2C Channels=-, Number of I/Os=51, Number of SPI Channels=-, Number of Timers/Counters=17, Number of UART/USART Channels=-, Oscillator Type=Internal, Part Number=STM32F405RGT6, Peripherals="CAN, I2C, SDIO, I2S / SPI, UART / USART, USB", Price="1 = 12,95, 10 = 11,91,  100 = 11,42, 500 = 8,95 (USD)", Program Memory Size=1024kB, Program Memory Type=Flash, RAM Size="192k B", Series=STM32F405RG, Speed=168MHz, Supplier 1=Mouser
J12: library part "Barramento de Gravação STM", "BARRAMENTO DE GRAVAÇÃO", Library Ref=Header, Number of Contacts=5
R1 R2 R5 R6 R7 R8 R11 R12 R14: library part RC0603FR-07240RL, "RES SMD 240 OHM 1% 1/10W 0603", Manufacturer=YAGEO, Operating Temperature="-55C ~ +155C", Package / Case="0603 (1608 metric)", Power Rating="1/10 W (100 mW)", Resistor Type=Fixed, Supplier Part Number 1=603-RC0603FR-07240RL, Temperature Coefficient="100 PPM / C", Tolerance=1%, Voltage Rating=-, Category="Current Sense Resistors - SMD", ComponentLink1Description="Mouser Link", ComponentLink1URL=https://br.mouser.com/ProductDetail/YAGEO/RC0603FR-07240RL?qs=%2Fha2pyFaduiUxY9aBc7vYsXmDGghjtsAaASQnplf3Fe6IIYOTbEeqCNZ6k5LKUyr, ComponentLink2Description=Datasheet, ComponentLink2URL=https://br.mouser.com/datasheet/2/447/Yageo_03_18_2021_PYu_RC_Group_51_RoHS_L_11-2199992.pdf, Library Ref=Resistor, Part Number=RC0603FR-07240RL, Price="1= 0,10, 10= 0,024, 100= 0,01 (USD)", Size / Dimension="1.6mm L x 0.8mm W x 0.45mm H", Supplier 1=Mouser
R3 R4 R9: library part RC0402JR-0710KL, "RES SMD 10K OHM 5% 1/16W 0402", Manufacturer=Yageo, Operating Temperature="-55 C ~ 155 C", Package / Case="0402 (1005 Metric)", Power Rating="62.5 mW (1/16 W)", Resistor Type=Fixo, Supplier Part Number 1=603-RC0402JR-0710KL, Temperature Coefficient="100 PPM / C", Tolerance="5 %", Voltage Rating="50 V", Category="Thick Film Resistors - SMD", ComponentLink1Description="Mouser Link", ComponentLink1URL=https://br.mouser.com/ProductDetail/Yageo/RC0402JR-0710KL?qs=%2Fha2pyFadugksLQP8sr8wSFqaMq1e9zbbX4dfYXawN%252BqoBT8jIbVcw%3D%3D, ComponentLink2Description="Datasheet Link", ComponentLink2URL=https://br.mouser.com/datasheet/2/447/PYu_RC_Group_51_RoHS_L_10-1664068.pdf, Library Control - Checked Footprint=Yes, Library Control - Checked Schematic=Yes, Library Control - Last Update="27/06/2021 20:59", Library Control - Person that Checked Footprint=Nikaum, Library Control - Person that Checked Schematic=Nikaum, Library Control - Person that did the Last Update Footprint=Dalarme, Library Control - Person that did the Last Update Schematic=Nikaum, Library Ref=Resistor, Part Number=RC0402JR-0710KL, Price="1=0,10, 10=0,01, 100=0,004 1000=0,003 (USD)", Size / Dimension="1 mm L x  0.5 mm W x  0.35 mm H", Supplier 1=Mouser
R10 R10 R10 R10 R10 R10 R10: library part CR0603-FX-56R0ELF, "RES SMD 56 OHMS 1% 1/10W 0603", Manufacturer=Bourns, Operating Temperature="- 55°C ~ 155°C", Package / Case="0603 (1608 Metric)", Power Rating="100 mW (1/10 W)", Resistor Type=Fixo, Supplier Part Number 1=652-CR0603FX-56R0ELF, Temperature Coefficient="100 PPM / C", Tolerance="1 %", Voltage Rating="50 V", Category="Thick Film Resistors - SMD", ComponentLink1Description="Mouser Link", ComponentLink1URL=https://br.mouser.com/ProductDetail/Bourns/CR0603-FX-56R0ELF?qs=0nF2VnfAjXkVwSNglvrNkw%3D%3D, ComponentLink2Description=Datasheet, ComponentLink2URL=https://br.mouser.com/datasheet/2/54/crxxxxx-1858361.pdf, Library Control - Checked Footprint=Yes, Library Control - Checked Schematic=Yes, Library Control - Last Update="27/06/2021 20:52", Library Control - Person that Checked Footprint=Nikaum, Library Control - Person that Checked Schematic=Nikaum, Library Control - Person that did the Last Update Footprint=Nicolas, Library Control - Person that did the Last Update Schematic=Nikaum, Library Ref=Resistor, Part Number=CR0603-FX-56R0ELF, Price="1=0,10, 10=0,019, 100=0,011(USD)", Size / Dimension="1,60 L x 0,80 W x 0,45 H", Supplier 1=Mouser
U1 U2 U3 U4: "IC REG LINEAR 3.3V 1.2A SOT-223-4", Current - Output="1.2 A", Current - Quiescent (Iq)="250 uA", Manufacturer=STMicroelectronics, Max Power Dissipation="Internally limited", Operating Temperature=-40°C~125°C, Package/ Case=SOT-223-4, Supplier Part Number 1=511-LDL1117S33R, Voltage - Dropout (Max)="600mV (1.2 A)", Voltage - Input (Max)=18V, Voltage - Output (Max)=3.6V, Voltage - Output (Min/Fixed)="3.3 V", Category="Linear Voltage Regulator", ComponentLink1Description="Mouser Link", ComponentLink1URL=https://br.mouser.com/ProductDetail/STMicroelectronics/LDL1117S33R?qs=%2Fha2pyFadugA91l4ky%2FRZ5SN3GrMJ6YI2MUHTqmRDLfkBVrFdA%252BW6Q%3D%3D, ComponentLink2Description=Datasheet, ComponentLink2URL=https://br.mouser.com/datasheet/2/389/dm00366442-1799212.pdf, Library Control - Checked Footprint=Yes, Library Control - Checked Schematic=Yes, Library Control - Last Update="23/06/21 10:22", Library Control - Person that Checked Footprint=Nícolas, Library Control - Person that Checked Schematic=Nícolas, Library Control - Person that did the Last Update Footprint=Pierre, Library Control - Person that did the Last Update Schematic=Nícolas, Library Ref="Voltage Regulator", Number of Regulators=1, Output Type=Fixed, Part Number=LDL1117S33R, Power Dissipation="Internally limited", Price="1= 0.46000, 10= 0.34000, 100= 0.22900 (USD)", Supplier 1=Mouser
VCC1: library part "Source Pad Mini Sumô", "VCC PAD MINI SUMÔ", Cable AWG="20 / 18 (AWG)", Library Ref=Pads, Recomended Category="Mini Sumô", Size="3.5 x 3.5 (mm)"
Centro Centro_D Centro_E Direita Esquerda J6 J7 J8 J16 MICROSTARTER Tras_D Tras_E: Library Ref=Header, Number of Contacts=3, System=Connector
"FONTE CHAVEADA 5V" "FONTE CHAVEADA 5V" J10 J11 TB66 TB66 TB66 TB66: System=Connector

## Via types
v1: diameter 0.6, hole 0.3, Top Layer to Bottom Layer, tented both sides, 55 vias
v2: diameter 0.4, hole 0.2, Top Layer to Bottom Layer, tented both sides, 28 vias
v3: diameter 0.8, hole 0.5, Top Layer to Bottom Layer, tented both sides, 1 vias
